# KiCad board pcb.kicad_pcb (continued)
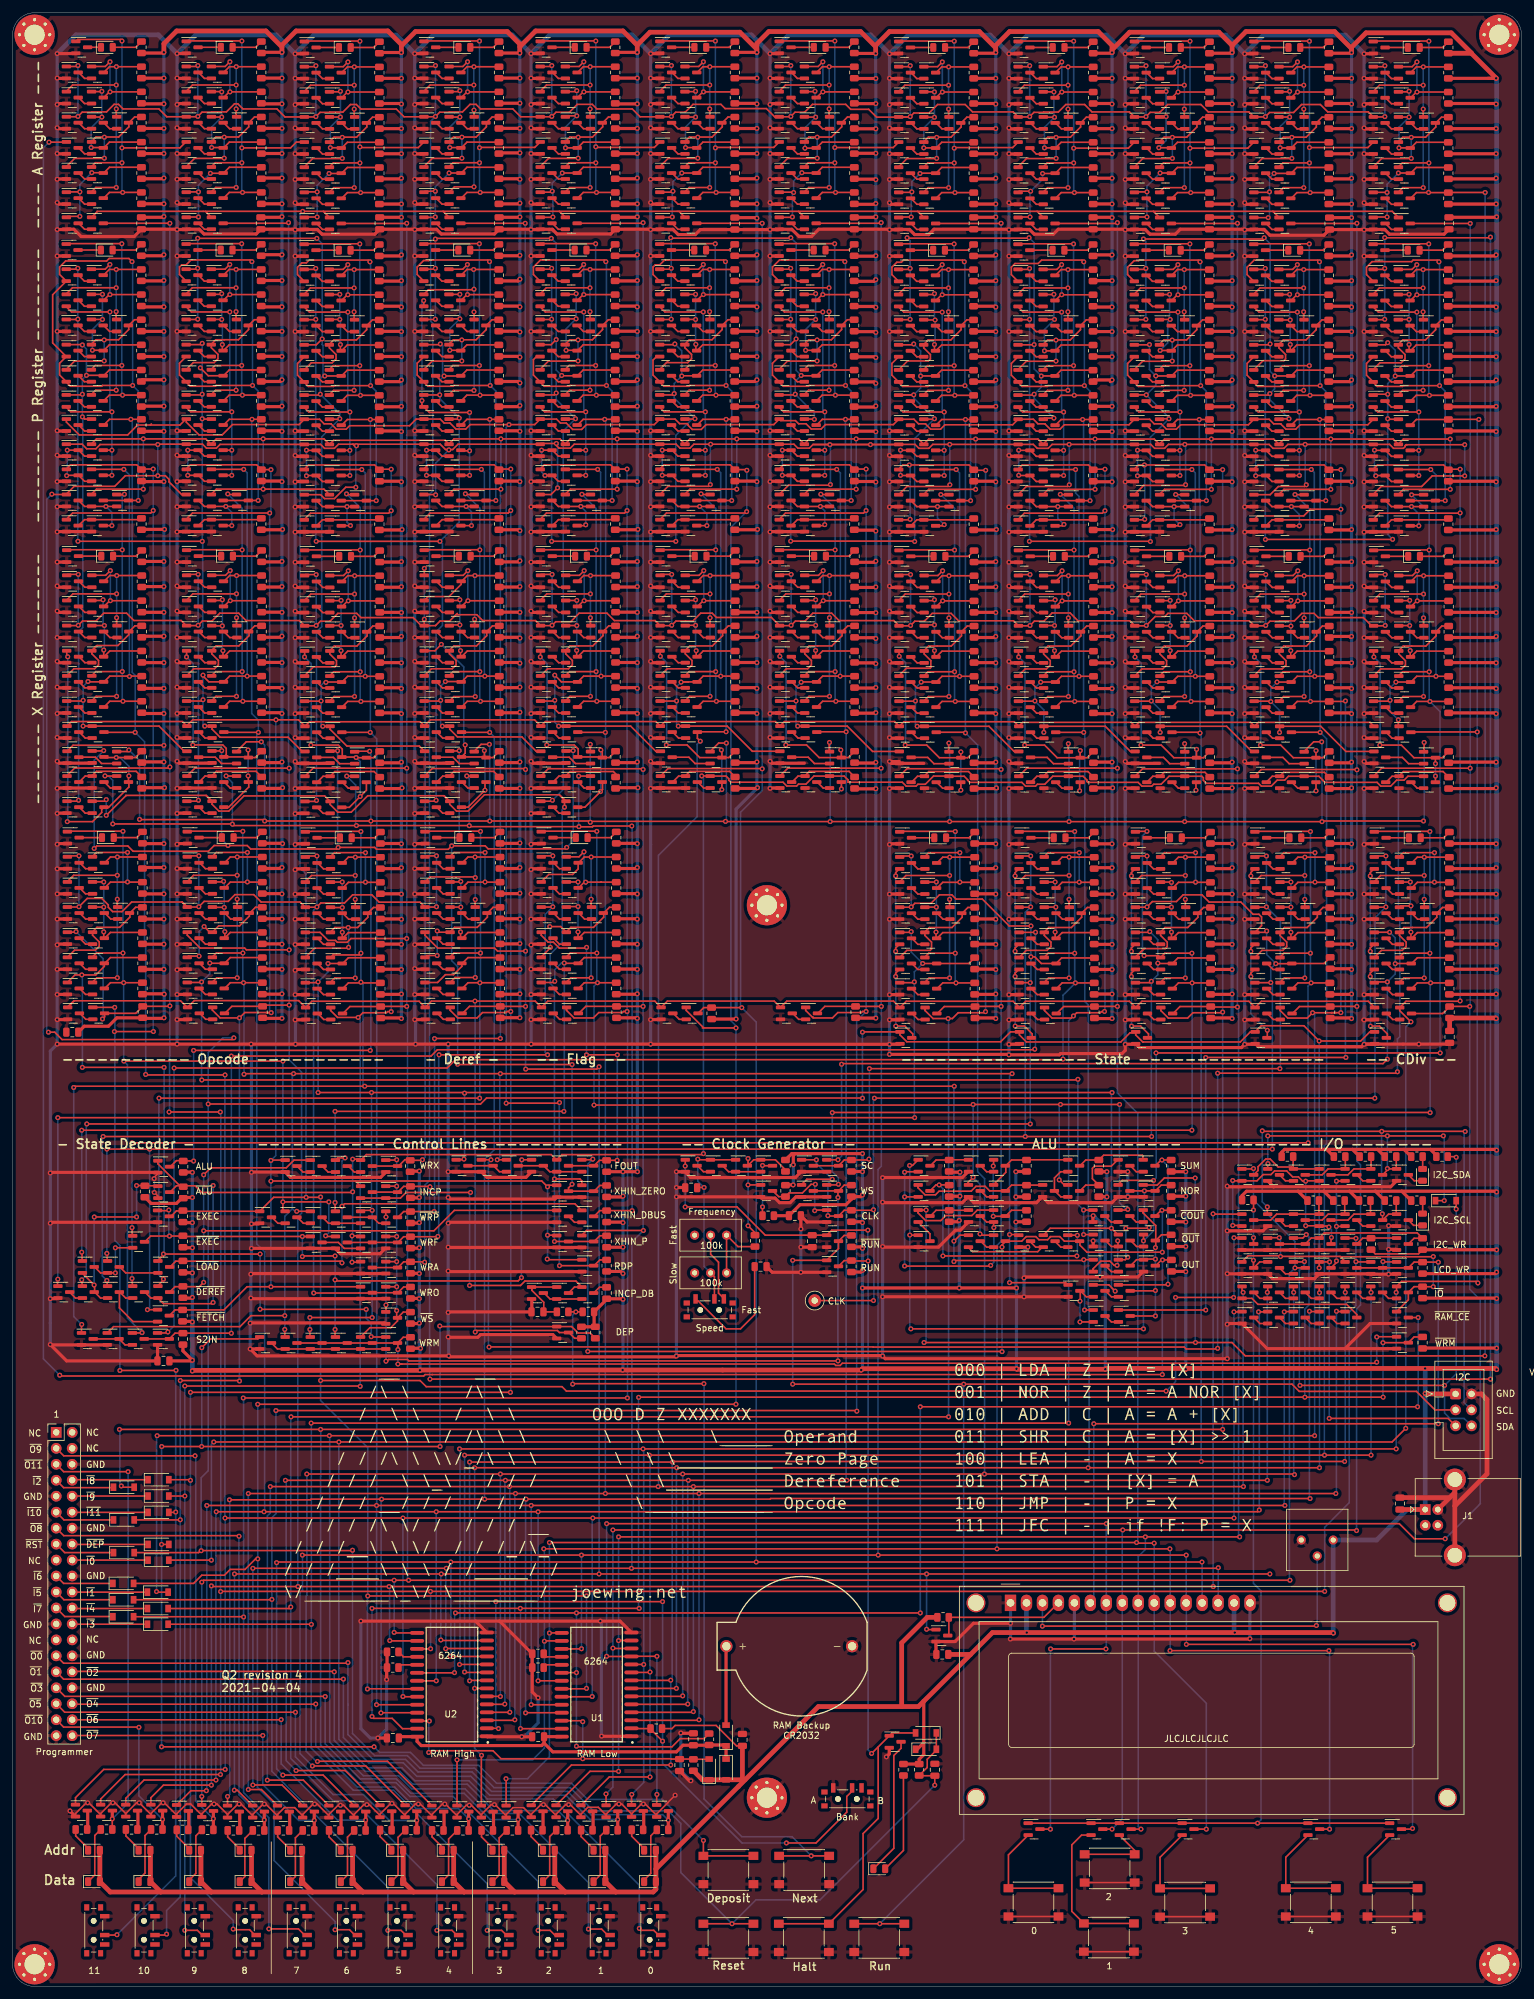
[diagram p0: board, top side]
## Routing (per net, layer and track width the routed paths; a pad name or vN(x,y) marks a point on that pad's centre or on a via; arc(x,y) is an arc through that point) (continued)
/Bit 5/P Register (5)/P DFF/CLR: length 74.6
  Top w0.25: 127.9,236.42 v1(133.4,236.42) ; v1(132.5,254.72) 126.72,254.72 126.59,254.59 122.61,254.59 121.88,255.32 ; Q1030.2 120.88,258.25 120.88,256.38 Q1024.2 ; Q1025.2 120.88,272.38 120.88,273.56 122.01,274.69 122.73,274.69 122.73,274.69 132.13,274.69 v1(132.4,274.42)
  Bottom w0.25: v1(133.4,236.42) 133.4,253.82 v1(132.5,254.72) 132.5,274.32 v1(132.4,274.42)
/Bit 5/P Register (5)/P DFF/Q: length 44.5
  Top w0.25: v1(130.78,257.9) 126.57,257.9 125.88,257.22 ; 121.96,277.29 130.75,277.29 v1(130.78,277.27) ; R452.2 v1(130.89,253.18) 128.79,253.18 127.88,252.27
  Bottom w0.25: v1(130.89,253.18) 130.78,253.29 v1(130.78,257.9) v1(130.78,277.27)
/Bit 5/P Register (5)/P DFF/SET: length 43.7
  Top w0.25: v1(129.2,250.52) 122.68,250.52 121.88,251.32 ; v1(129.2,244.42) 127.9,244.42 ; 127.9,240.42 v1(129.2,240.42) ; v1(128.88,266.41) 122.78,266.41 121.88,267.32
  Bottom w0.25: v1(129.2,240.42) v1(129.2,244.42) v1(129.2,250.52) 128.88,250.84 v1(128.88,266.41)
/Bit 5/X Register (5)/X DFF/D: length 36.1
  Top w0.25: 131.9,195.52 132.94,195.52 R466.2 ; v1(131.75,196.73) 131.84,196.64 Q1049.3 128.31,195.52 126.31,197.52 v1(123,197.52) ; v1(122.05,211.63) 122.01,211.66 Q1067.1 ; v1(131.85,190.53) 131.85,191.61
  Bottom w0.25: v1(123,197.52) 123.05,197.57 123.05,210.63 v1(122.05,211.63) ; v1(131.85,190.53) 131.85,196.63 v1(131.75,196.73)
/Bit 5/XOUT: length 55.7
  Top w0.25: 122.03,228.59 130.82,228.59 v1(130.85,228.56) ; R468.2 v1(130.96,204.47) 128.86,204.47 127.95,203.56 ; 125.95,208.51 126.64,209.2 v1(130.85,209.2) ; v1(128.57,237.42) 128.62,237.37 129.9,237.37
  Bottom w0.25: v1(130.96,204.47) 130.85,204.59 v1(130.85,209.2) v1(130.85,228.56) 130.85,235.14 v1(128.57,237.42)
/Bit 5/~{P}: length 83.3
  Top w0.25: 102.88,265.22 104.73,265.22 v1(104.78,265.27) ; 127.88,256.27 128.79,257.18 R455.2 ; 102.88,273.22 104.63,273.22 v1(104.78,273.37) ; v1(124.65,262.13) 123.74,261.22 Q1030.1 ; v1(124.5,253.33) 124.4,253.22 Q1019.1 ; v1(125.45,256.32) 125.5,256.27 Q1022.3 ; v1(104.7,278.23) 104.78,278.15 123.72,278.15 v1(123.8,278.23) ; v1(127.55,249.33) 127.5,249.37 Q1082.1
  Bottom w0.25: v1(104.78,265.27) v1(104.78,273.37) 104.78,278.15 v1(104.7,278.23) ; v1(127.55,249.33) 127.55,250.28 v1(124.5,253.33) 124.5,255.37 v1(125.45,256.32) 124.65,257.12 v1(124.65,262.13) 124.65,277.38 v1(123.8,278.23)
/Bit 5/~{XIN}: length 76.2
  Top w0.25: v1(105.9,200.52) 107,200.52 ; 108.95,207.56 109.86,208.47 v1(112.65,208.47) R446.2 ; 106.9,241.37 112.1,241.37 ; 107.51,207.56 107.48,207.53 v1(106.35,207.53) ; 107.51,207.56 Q995.3 ; 107.51,207.56 106.5,207.56 ; v1(105.62,204.53) 105.61,204.51 Q992.1 ; 107.06,200.52 113.68,200.52 117.68,196.52 122.06,196.52
  Bottom w0.25: 112.58,208.55 v1(112.65,208.47) 112.65,240.82 v1(112.1,241.37) ; v1(105.9,200.52) 105.62,200.8 v1(105.62,204.53) 105.62,206.8 v1(106.35,207.53)
/Bit 6/A Register (6)/A DFF/~{Q}: length 20.6
  Top w0.25: R437.2 109.81,289.43 108.9,288.52 ; 105,281.47 v1(104.95,281.53) 104.9,281.47 102.96,281.47 ; v1(106.45,288.53) 106.46,288.52 Q974.3 ; 102.96,285.47 104.9,285.47 v1(105.05,285.63)
  Bottom w0.25: v1(104.95,281.53) 104.95,285.53 v1(105.05,285.63) 105.05,287.13 v1(106.45,288.53)
/Bit 6/AIN: length 55.1
  Top w0.25: 89.88,284.52 90.79,285.43 v1(92.89,285.43) R309.2 ; v1(92.78,309.52) 92.75,309.55 83.95,309.55 ; 87.88,289.47 88.56,290.16 v1(92.78,290.16) ; Q982.1 102.09,292.6 92.88,292.6 v1(92.78,292.7)
  Bottom w0.25: v1(92.89,285.43) 92.78,285.55 v1(92.78,290.16) v1(92.78,292.7) v1(92.78,309.52)
/Bit 6/P Register (6)/P DFF/CLR: length 74.3
  Top w0.25: v1(114.4,236.42) 108.9,236.42 ; v1(113.5,254.72) 107.72,254.72 107.59,254.59 103.61,254.59 102.88,255.32 ; v1(113.4,274.42) 113.13,274.69 103.73,274.69 102.96,273.93 102.24,273.93 101.88,273.56 101.88,272.38 Q1076.2 ; Q1075.2 101.88,256.38 101.88,258.76 102.44,259.32
  Bottom w0.25: v1(113.4,274.42) 113.5,274.32 v1(113.5,254.72) 114.4,253.82 v1(114.4,236.42)
/Bit 6/P Register (6)/P DFF/Q: length 44.5
  Top w0.25: 106.88,257.22 107.57,257.9 v1(111.78,257.9) ; R475.2 v1(111.89,253.18) 109.79,253.18 108.88,252.27 ; 102.96,277.29 111.75,277.29 v1(111.78,277.27)
  Bottom w0.25: v1(111.89,253.18) 111.78,253.29 v1(111.78,257.9) v1(111.78,277.27)
/Bit 6/P Register (6)/P DFF/SET: length 43.7
  Top w0.25: v1(110.2,250.52) 103.68,250.52 102.88,251.32 ; v1(109.88,266.41) 103.78,266.41 102.88,267.32 ; v1(110.2,244.42) 108.9,244.42 ; 108.9,240.42 v1(110.2,240.42)
  Bottom w0.25: v1(110.2,240.42) v1(110.2,244.42) v1(110.2,250.52) 109.88,250.84 v1(109.88,266.41)
/Bit 6/X Register (6)/X DFF/D: length 36.4
  Top w0.25: R441.2 113.94,195.52 112.9,195.52 ; v1(103.05,211.63) 103.01,211.66 Q1003.1 ; v1(112.82,190.43) 112.82,191.61 ; v1(112.75,196.73) 112.84,196.64 Q985.3 109.31,195.52 107.31,197.52 v1(104,197.52)
  Bottom w0.25: v1(104,197.52) 104.05,197.57 104.05,210.63 v1(103.05,211.63) ; v1(112.75,196.73) 112.82,196.65 v1(112.82,190.43) 112.75,190.35
/Bit 6/XOUT: length 55.9
  Top w0.25: 106.95,208.51 107.64,209.2 v1(111.85,209.2) ; R443.2 v1(111.96,204.47) 109.86,204.47 108.95,203.56 ; v1(111.85,228.56) 111.82,228.59 103.03,228.59 ; 110.9,237.37 109.62,237.37 v1(109.52,237.48)
  Bottom w0.25: v1(111.96,204.47) 111.85,204.59 v1(111.85,209.2) v1(111.85,228.56) 111.85,235.18 111.82,235.18 v1(109.52,237.48)
/Bit 6/~{P}: length 117.5
  Top w0.25: v1(85.75,265.27) 85.7,265.22 83.85,265.22 ; R478.2 109.79,257.18 108.88,256.27 ; v1(105.35,261.33) 105.24,261.22 Q1081.1 ; v1(85.75,229.93) 105.5,229.93 v1(105.5,229.92) ; v1(85.75,273.37) 85.6,273.22 83.85,273.22 ; v1(105.25,253.43) 105.04,253.22 Q1070.1 ; Q1006.1 108.5,249.37 v1(108.55,249.43) ; v1(106.45,256.23) 106.49,256.27 Q1073.3
  Bottom w0.25: v1(85.75,273.37) v1(85.75,265.27) 85.75,229.93 v1(85.75,229.93) ; v1(105.35,261.33) 106.45,260.23 v1(106.45,256.23) 105.25,255.03 v1(105.25,253.43) 105.25,252.73 v1(108.55,249.43) 108.15,249.43 105.5,246.78 v1(105.5,229.92)
/Bit 6/~{XIN}: length 77.2
  Top w0.25: 89.93,207.56 90.84,208.47 v1(93.62,208.47) R321.2 ; v1(86.88,200.52) 87.97,200.52 ; 87.88,241.37 93.07,241.37 ; Q746.3 87.31,207.56 v1(86.25,208.63) ; v1(86.25,204.63) 86.13,204.51 Q743.1 ; 88.04,200.52 98.33,200.52 102.33,196.52 103.06,196.52
  Bottom w0.25: v1(93.62,208.47) 93.55,208.55 93.55,240.9 v1(93.07,241.37) ; v1(86.88,200.52) 86.25,201.15 v1(86.25,204.63) v1(86.25,208.63)
/Bit 7/A Register/A DFF/~{Q}: length 20.5
  Top w0.25: 89.88,288.52 90.79,289.43 R312.2 ; 86,281.47 v1(85.95,281.53) 85.9,281.47 83.94,281.47 ; v1(87.45,288.53) 89.81,288.53 ; 83.94,285.47 85.69,285.47 v1(85.85,285.63)
  Bottom w0.25: v1(87.45,288.53) 85.85,286.93 v1(85.85,285.63) 85.95,285.53 v1(85.95,281.53)
/Bit 7/AIN: length 54.6
  Top w0.25: 71.38,284.52 72.29,285.43 v1(74.39,285.43) R228.2 ; v1(74.28,309.52) 74.25,309.55 65.45,309.55 ; 69.38,289.47 70.06,290.16 v1(74.28,290.16) ; v1(74.28,292.55) 74.32,292.6 83.06,292.6 Q730.1
  Bottom w0.25: v1(74.39,285.43) 74.28,285.55 v1(74.28,290.16) v1(74.28,292.55) v1(74.28,309.52)
/Bit 7/P Register/P DFF/CLR: length 74.3
  Top w0.25: 89.88,236.42 v1(95.38,236.42) ; 83.85,255.32 84.58,254.59 88.57,254.59 88.7,254.72 v1(94.47,254.72) ; 83.34,259.32 82.85,258.83 82.85,256.38 Q708.2 ; v1(94.38,274.42) 94.1,274.69 86.42,274.69 86.41,274.69 83.98,274.69 82.85,273.56 82.85,272.38 Q709.2
  Bottom w0.25: v1(95.38,236.42) 95.38,253.82 v1(94.47,254.72) 94.47,274.32 v1(94.38,274.42)
/Bit 7/P Register/P DFF/Q: length 44.5
  Top w0.25: 89.85,252.27 90.77,253.18 v1(92.87,253.18) R302.2 ; v1(92.75,277.27) 92.73,277.29 83.93,277.29 ; 87.85,257.22 88.54,257.9 v1(92.75,257.9)
  Bottom w0.25: v1(92.75,277.27) v1(92.75,257.9) 92.75,253.29 v1(92.87,253.18)
/Bit 7/P Register/P DFF/SET: length 43.7
  Top w0.25: 89.88,240.42 v1(91.18,240.42) ; v1(91.18,244.42) 89.88,244.42 ; 83.85,251.32 84.65,250.52 v1(91.18,250.52) ; 83.85,267.32 84.76,266.41 v1(90.86,266.41)
  Bottom w0.25: v1(91.18,240.42) v1(91.18,244.42) v1(91.18,250.52) 90.86,250.84 v1(90.86,266.41)
/Bit 7/X Register/X DFF/D: length 42.5
  Top w0.25: R316.2 94.91,195.52 93.88,195.52 ; v1(84.97,197.52) 89.35,197.52 89.97,196.89 89.97,195.62 93.78,195.62 ; Q733.3 91.04,187.62 v1(93.53,190.1) 93.85,190.43 93.85,191.58 ; v1(93.57,196.73) 93.81,196.49 Q734.3 ; v1(83.95,211.53) 83.99,211.56 Q754.1 ; 93.81,196.59 93.85,196.63
  Bottom w0.25: v1(84.97,197.52) 85.03,197.57 85.03,210.45 v1(83.95,211.53) ; v1(93.53,190.1) 93.57,190.15 v1(93.57,196.73)
/Bit 7/XOUT: length 55.6
  Top w0.25: 89.93,203.56 90.84,204.47 v1(92.94,204.47) R318.2 ; v1(92.82,228.56) 92.8,228.59 84,228.59 ; 87.93,208.51 88.61,209.2 v1(92.82,209.2) ; 91.88,237.37 90.6,237.37 v1(90.57,237.41)
  Bottom w0.25: v1(92.94,204.47) 92.82,204.59 v1(92.82,209.2) v1(92.82,228.56) 92.82,235.15 v1(90.57,237.41)
/Bit 7/~{P}: length 146.5
  Top w0.25: 89.85,256.27 90.77,257.18 R305.2 ; v1(85.88,188.72) 85.72,188.57 83.98,188.57 ; v1(67.25,265.27) 67.2,265.22 65.36,265.22 ; v1(86.48,262.03) 85.67,261.22 Q714.1 ; Q703.1 86.17,253.22 v1(86.48,253.53) ; v1(85.7,278.13) 67.36,278.13 v1(67.25,278.02) ; 65.36,273.22 67.11,273.22 v1(67.25,273.37) ; v1(87.35,256.32) 87.4,256.27 Q706.3 ; v1(89.55,249.43) 89.5,249.37 Q690.1
  Bottom w0.25: v1(67.25,265.27) v1(67.25,273.37) v1(67.25,278.02) ; v1(85.88,188.72) 87.7,190.55 ; v1(85.7,278.13) 86.48,277.35 v1(86.48,262.03) 86.48,257.19 v1(87.35,256.32) 86.48,255.44 v1(86.48,253.53) 86.48,252.5 v1(89.55,249.43) 87.6,247.48 87.6,190.45
/Bit 7/~{XIN}: length 74.9
  Top w0.25: 71.42,207.56 72.34,208.47 v1(75.12,208.47) R240.2 ; v1(68.38,200.52) 69.47,200.52 ; 69.38,241.37 74.58,241.37 ; Q565.1 67.98,204.51 v1(68.1,204.63) ; v1(68.85,207.61) 71.31,207.61 ; 84.04,196.52 83.3,196.52 81.02,198.8 70.77,198.8 69.54,200.04 69.54,200.52
  Bottom w0.25: v1(75.12,208.47) 75.05,208.55 75.05,240.9 v1(74.58,241.37) ; v1(68.38,200.52) 68.1,200.8 v1(68.1,204.63) 68.1,206.86 v1(68.85,207.61)
/Bit 8/A Register/A DFF/~{Q}: length 19.7
  Top w0.25: 71.38,288.52 72.29,289.43 R231.2 ; 67.31,281.47 v1(67.25,281.53) 67.19,281.47 65.44,281.47 ; v1(67.25,285.63) 65.59,285.63 ; v1(69.45,288.53) 71.31,288.53
  Bottom w0.25: v1(69.45,288.53) 67.25,286.33 v1(67.25,285.63) v1(67.25,281.53)
/Bit 8/AIN: length 55.1
  Top w0.25: 52.35,284.5 53.26,285.41 v1(55.36,285.41) R147.2 ; v1(55.25,309.5) 55.22,309.52 46.43,309.52 ; 50.35,289.45 51.04,290.13 v1(55.25,290.13) ; v1(55.25,292.68) 55.36,292.57 64.54,292.57 Q552.1
  Bottom w0.25: v1(55.36,285.41) 55.25,285.52 v1(55.25,290.13) v1(55.25,309.5)
/Bit 8/P Register/P DFF/CLR: length 74.6
  Top w0.25: 71.38,236.42 v1(76.88,236.42) ; 65.36,255.32 66.08,254.59 70.07,254.59 70.2,254.72 v1(75.97,254.72) ; Q531.2 64.35,272.38 64.35,273.56 65.39,274.6 66.22,274.6 66.32,274.69 75.6,274.69 v1(75.88,274.42) ; Q530.2 64.35,256.38 64.35,258.25 Q536.2
  Bottom w0.25: v1(76.88,236.42) 76.88,253.82 v1(75.97,254.72) 75.97,274.32 v1(75.88,274.42)
/Bit 8/P Register/P DFF/Q: length 44.5
  Top w0.25: 71.36,252.27 72.27,253.18 v1(74.37,253.18) R221.2 ; v1(74.25,277.27) 74.23,277.29 65.43,277.29 ; 69.36,257.22 70.04,257.9 v1(74.25,257.9)
  Bottom w0.25: v1(74.25,277.27) v1(74.25,257.9) 74.25,253.29 v1(74.37,253.18)
/Bit 8/P Register/P DFF/SET: length 38.4
  Top w0.25: v1(72.7,240.43) 72.69,240.42 Q515.3 ; v1(72.7,244.33) 71.41,244.33 ; Q526.2 65.42,268.21 v1(65.4,268.23) ; v1(65.12,252.32) 65.12,251.61 Q525.2 66.31,250.43 v1(72.7,250.43)
  Bottom w0.25: v1(65.12,252.32) 65.12,252.32 65.12,267.95 v1(65.4,268.23) ; v1(72.7,240.43) v1(72.7,244.33) v1(72.7,250.43)
/Bit 8/X Register/X DFF/D: length 42.8
  Top w0.25: R235.2 76.41,195.52 75.38,195.52 ; 71.47,195.62 75.28,195.62 ; Q557.3 72,196.21 v1(72,197.53) 71.9,197.63 ; Q556.3 75.05,195.78 v1(75.05,196.63) ; v1(68.2,213.53) 67.19,212.51 Q576.1 ; Q555.3 72.44,187.62 v1(75.15,190.33) 75.15,191.46
  Bottom w0.25: v1(75.15,190.33) 75.15,196.53 v1(75.05,196.63) ; v1(72,197.53) 71.78,197.75 71.78,209.95 v1(68.2,213.53)
/Bit 8/XOUT: length 55.8
  Top w0.25: 71.42,203.56 72.34,204.47 v1(74.44,204.47) R237.2 ; v1(74.33,228.56) 74.3,228.59 65.5,228.59 ; 69.42,208.51 70.11,209.2 v1(74.33,209.2) ; 73.38,237.37 72.14,237.37 v1(72.03,237.49)
  Bottom w0.25: v1(74.44,204.47) 74.33,204.59 v1(74.33,209.2) v1(74.33,228.56) 74.33,235.19 v1(72.03,237.49)
/Bit 8/~{P}: length 162
  Top w0.25: 71.36,256.27 72.27,257.18 R224.2 ; v1(67.38,188.72) 67.22,188.57 65.48,188.57 ; v1(48.23,265.24) 48.18,265.19 46.33,265.19 ; v1(68.05,261.33) 67.94,261.22 Q536.1 ; v1(71.05,249.53) 70.89,249.37 Q512.1 ; Q525.1 67.94,253.22 v1(67.95,253.23) ; 48.3,229.83 48.39,229.92 v1(67.98,229.92) 67.88,230.03 ; v1(68.65,256.23) 71.25,256.23 ; v1(48.23,273.34) 48.08,273.19 46.33,273.19
  Bottom w0.25: 68.3,261.22 68.41,261.12 68.41,256.27 ; v1(48.23,273.34) v1(48.23,265.24) 48.23,230.05 48.25,230.03 ; v1(67.38,188.72) 67.38,215.54 68.38,216.54 68.38,229.52 v1(67.98,229.92) 71.05,232.99 v1(71.05,249.53) 67.95,252.63 v1(67.95,253.23) 67.95,255.53 v1(68.65,256.23) 68.41,256.47 ; v1(68.05,261.33) 68.41,260.97 ; 67.98,252.99 67.98,252.7 67.95,252.73
  vias: v1(48.3,229.93)
/Bit 8/~{SOUT}: length 13.8
  Top w0.25: 71.54,162.78 72.45,163.69 R247.2 ; Q579.1 67.61,159.73 68.85,160.98 70.15,160.98 71.47,162.3 Q582.3
/Bit 8/~{XIN}: length 75.6
  Top w0.25: 52.4,207.54 53.31,208.45 v1(56.1,208.45) R159.2 ; v1(49.35,200.5) 50.45,200.5 ; 50.35,241.35 v1(55.55,241.35) ; 65.54,196.52 64.71,197.35 53.18,197.35 50.51,200.01 Q358.1 ; v1(49.85,207.48) 49.9,207.54 Q372.3 ; v1(49.08,204.53) 49.03,204.49 Q369.1
  Bottom w0.25: 56.03,208.52 v1(56.1,208.45) 56.1,240.8 v1(55.55,241.35) ; v1(49.85,207.48) 49.55,207.48 49.08,207.01 v1(49.08,204.53) 49.08,200.77 v1(49.35,200.5)
/Bit 9/A Register/A DFF/~{Q}: length 19.6
  Top w0.25: 52.35,288.5 53.26,289.41 R150.2 ; 46.86,281.53 v1(48.45,281.53) 48.53,281.45 ; v1(48.45,285.53) 46.49,285.53 ; v1(50.35,288.45) 52.24,288.45
  Bottom w0.25: v1(50.35,288.45) 48.45,286.55 v1(48.45,285.53) v1(48.45,281.53)
/Bit 9/P Register/P DFF/CLR: length 74.6
  Top w0.25: 52.35,236.4 v1(57.85,236.4) ; 46.33,255.29 47.06,254.57 51.04,254.57 51.17,254.7 v1(56.95,254.7) ; Q340.2 45.33,258.23 45.33,256.35 Q334.2 ; Q335.2 45.33,272.35 45.33,273.54 46.02,274.23 46.74,274.23 47.18,274.67 56.58,274.67 v1(56.85,274.4)
  Bottom w0.25: v1(57.85,236.4) 57.85,253.8 v1(56.95,254.7) 56.95,274.3 v1(56.85,274.4)
/Bit 9/P Register/P DFF/Q: length 44.5
  Top w0.25: 52.33,252.24 53.24,253.15 v1(55.34,253.15) R140.2 ; v1(55.23,277.24) 55.2,277.27 46.41,277.27 ; 50.33,257.19 51.02,257.88 v1(55.23,257.88)
  Bottom w0.25: v1(55.23,277.24) v1(55.23,257.88) 55.23,253.27 v1(55.34,253.15)
/Bit 9/P Register/P DFF/SET: length 43.7
  Top w0.25: 52.35,240.4 v1(53.65,240.4) ; v1(53.65,244.4) 52.35,244.4 ; 46.33,251.29 47.12,250.5 v1(53.65,250.5) ; 46.33,267.29 47.23,266.39 v1(53.33,266.39)
  Bottom w0.25: v1(53.65,240.4) v1(53.65,244.4) v1(53.65,250.5) 53.33,250.81 v1(53.33,266.39)
/Bit 9/X Register/X DFF/D: length 41.3
  Top w0.25: R154.2 57.39,195.5 56.35,195.5 ; 52.45,195.6 52.45,196.87 51.82,197.5 v1(47.45,197.5) ; Q380.1 46.46,211.54 v1(46.45,211.53) ; Q357.3 56.29,190.31 v1(55.3,189.33) 53.57,187.6 Q359.3 ; Q360.3 54.68,195.5 v1(54.65,195.53) 54.58,195.6 Q361.3
  Bottom w0.25: v1(47.45,197.5) 47.5,197.55 47.5,210.48 v1(46.45,211.53) ; 55.25,194.93 55.25,194.83 ; v1(55.3,189.33) 55.3,194.88 v1(54.65,195.53)
/Bit 9/XOUT: length 55.7
  Top w0.25: 52.4,203.54 53.31,204.45 v1(55.41,204.45) R156.2 ; v1(55.3,228.54) 55.27,228.56 46.48,228.56 ; 50.4,208.49 51.09,209.17 v1(55.3,209.17) ; 54.35,237.35 53.25,237.35 v1(53.12,237.47)
  Bottom w0.25: v1(55.41,204.45) 55.3,204.56 v1(55.3,209.17) v1(55.3,228.54) 55.3,235.29 v1(53.12,237.47)
/Bit 10/A Register/A DFF/~{Q}: length 19.9
  Top w0.25: 33.57,288.53 34.48,289.44 R72.2 ; v1(31.47,288.48) 33.46,288.48 ; v1(29.57,285.53) 27.68,285.53 ; 29.62,281.48 v1(29.57,281.53) 27.68,281.53
  Bottom w0.25: v1(29.57,281.53) v1(29.57,285.53) 29.57,286.58 v1(31.47,288.48)
/Bit 10/AIN: length 53.9
  Top w0.25: 14.5,284.53 15.41,285.44 v1(17.51,285.44) R12.2 ; 27.57,293.48 26.62,292.53 v1(17.4,292.53) 17.47,292.6 ; Q34.1 10.36,309.78 17.15,309.78 v1(17.4,309.53) ; 12.5,289.48 13.19,290.16 v1(17.4,290.16)
  Bottom w0.25: v1(17.51,285.44) 17.4,285.55 v1(17.4,290.16) v1(17.4,292.53) v1(17.4,309.53)
/Bit 10/AOUT: length 55
  Top w0.25: 33.57,284.53 34.48,285.44 v1(36.58,285.44) R69.2 ; v1(36.47,309.53) 36.44,309.55 27.64,309.55 ; 31.57,289.48 32.26,290.16 v1(36.47,290.16) ; 36.54,292.6 v1(36.47,292.53) 44.23,292.53 45.15,293.45 Q356.1
  Bottom w0.25: v1(36.58,285.44) 36.47,285.55 v1(36.47,290.16) v1(36.47,292.53) v1(36.47,309.53)
/Bit 10/INCP_CLK: length 147.4
  Top w0.25: v1(29.45,265.27) 29.4,265.22 27.55,265.22 ; 52.33,256.24 53.24,257.15 R143.2 ; v1(48.35,188.7) 48.2,188.55 46.45,188.55 ; v1(48.95,253.33) 48.82,253.19 Q329.1 ; v1(48.4,278.13) 29.47,278.13 v1(29.45,278.15) ; v1(49.65,256.23) 49.67,256.24 Q332.3 ; v1(52.05,249.43) 51.97,249.35 Q316.1 ; Q340.1 48.31,261.19 v1(49.25,262.13) ; v1(29.45,273.37) 29.3,273.22 27.55,273.22
  Bottom w0.25: v1(29.45,265.27) v1(29.45,273.37) v1(29.45,278.15) 29.37,278.23 ; v1(48.35,188.7) 48.35,215.51 49.18,216.34 49.18,246.55 v1(52.05,249.43) 52.05,250.23 v1(48.95,253.33) 48.95,255.82 49.38,256.24 49.38,261.1 49.25,261.23 v1(49.25,262.13) 49.25,277.28 v1(48.4,278.13) ; v1(49.65,256.23) 49.37,256.23
/Bit 10/P Register/P DFF/CLR: length 74.6
  Top w0.25: 33.57,236.43 v1(39.07,236.43) ; 27.55,255.32 28.27,254.6 32.26,254.6 32.39,254.73 v1(38.17,254.73) ; Q162.2 26.55,272.38 26.55,273.57 26.91,273.93 27.63,273.93 28.4,274.7 37.8,274.7 v1(38.07,274.43) ; Q167.2 26.55,258.26 26.55,256.38 Q161.2
  Bottom w0.25: v1(39.07,236.43) 39.07,253.83 v1(38.17,254.73) 38.17,274.33 v1(38.07,274.43)
/Bit 10/P Register/P DFF/Q: length 44.5
  Top w0.25: 33.55,252.27 34.46,253.18 v1(36.56,253.18) R62.2 ; v1(36.45,277.27) 36.42,277.3 27.62,277.3 ; 31.55,257.22 32.24,257.91 v1(36.45,257.91)
  Bottom w0.25: v1(36.45,277.27) v1(36.45,257.91) 36.45,253.3 v1(36.56,253.18)
/Bit 10/P Register/P DFF/SET: length 43.7
  Top w0.25: 33.57,240.43 v1(34.87,240.43) ; v1(34.87,244.43) 33.57,244.43 ; 27.55,251.32 28.34,250.53 v1(34.87,250.53) ; 27.55,267.32 28.45,266.42 v1(34.55,266.42)
  Bottom w0.25: v1(34.87,240.43) v1(34.87,244.43) v1(34.87,250.53) 34.55,250.84 v1(34.55,266.42)
/Bit 10/X Register/X DFF/D: length 41.1
  Top w0.25: R76.2 38.61,195.53 37.57,195.53 ; 37.57,191.63 37.57,190.83 34.37,187.63 33.67,187.63 ; 33.67,195.63 37.47,195.63 ; v1(37.47,196.73) 37.51,196.69 Q187.3 ; Q188.3 33.99,196.01 33.99,196.97 33.44,197.53 v1(28.67,197.53) ; Q207.1 27.68,211.54 v1(27.67,211.53) ; v1(37.47,192.6) 37.51,192.56 Q184.3
  Bottom w0.25: v1(28.67,197.53) 28.72,197.58 28.72,210.48 v1(27.67,211.53) ; v1(37.47,196.73) 37.47,192.63
/Bit 10/XOUT: length 55.8
  Top w0.25: 33.62,203.57 34.53,204.48 v1(36.63,204.48) R78.2 ; v1(36.52,228.57) 36.49,228.59 27.69,228.59 ; 31.62,208.52 32.31,209.2 v1(36.52,209.2) ; v1(34.23,237.47) 34.32,237.38 35.57,237.38
  Bottom w0.25: v1(36.63,204.48) 36.52,204.59 v1(36.52,209.2) v1(36.52,228.57) 36.52,235.18 v1(34.23,237.47)
/Bit 10/~{P}: length 160.2
  Top w0.25: v1(10.38,265.27) 10.33,265.22 8.48,265.22 ; 33.55,256.27 34.46,257.18 R65.2 ; v1(29.57,188.73) 29.42,188.58 27.67,188.58 ; v1(30.17,249.43) 30.22,249.38 Q143.1 ; v1(29.87,257.53) 31.12,256.27 Q159.3 ; Q156.1 30.06,253.22 v1(30.17,253.33) ; v1(10.38,273.37) 10.23,273.22 8.48,273.22 ; v1(30.17,261.43) 29.96,261.22 Q167.1 ; v1(30.17,229.93) v1(10.4,229.93)
  Bottom w0.25: v1(10.38,273.37) v1(10.38,265.27) 10.38,229.95 v1(10.4,229.93) ; v1(29.57,188.73) 29.57,215.54 30.24,216.22 30.24,229.86 v1(30.17,229.93) 30.17,249.02 ; v1(30.17,261.43) 30.17,257.83 v1(29.87,257.53) 30.17,257.23 v1(30.17,253.33) 30.17,252.83 30.17,252.82 ; 30.17,249.02 30.17,249.22 ; 30.17,249.02 30.17,249.03 v1(30.17,249.43) 30.17,250.53 30.17,250.53 ; 30.17,250.28 30.17,250.53 ; 30.17,250.53 30.17,252.82 ; 30.17,252.82 30.17,253
/Bit 10/~{XIN}: length 75.2
  Top w0.25: 14.55,207.57 15.46,208.48 R24.2 ; 27.3,196.53 23.3,200.53 Q45.1 v1(11.23,200.53) ; v1(11.23,204.63) 11.12,204.52 Q56.1 ; 12.5,241.38 v1(17.7,241.38) ; v1(12,207.62) 12.05,207.57 Q59.3
  Bottom w0.25: v1(12,207.62) 11.23,206.84 v1(11.23,204.63) v1(11.23,200.53) ; v1(18.6,208.43) 18.57,208.45 18.57,240.5 v1(17.7,241.38)
/Bit 10/~{XOUT}: length 76.9
  Top w0.25: 33.62,207.57 34.53,208.48 v1(37.32,208.48) R81.2 ; v1(30.57,200.53) 31.67,200.53 ; 31.57,241.38 v1(36.77,241.38) ; v1(30.29,208.63) 30.29,208.49 31.22,207.57 Q199.3 ; Q185.1 31.73,200.03 33.02,198.75 43.82,198.75 46.08,196.5 ; Q196.1 30.08,204.52 v1(30.29,204.73)
  Bottom w0.25: 37.24,208.55 v1(37.32,208.48) 37.32,240.83 v1(36.77,241.38) ; v1(30.57,200.53) 30.29,200.8 v1(30.29,204.73) v1(30.29,208.63)
/Bit 11/A Register/A DFF/~{Q}: length 20.2
  Top w0.25: v1(10.7,285.53) 8.61,285.53 ; R15.2 15.41,289.44 14.5,288.53 ; v1(12.6,288.58) 14.39,288.58 ; 10.85,281.48 v1(10.7,281.63) 8.71,281.63
  Bottom w0.25: v1(12.6,288.58) 10.7,286.68 v1(10.7,285.53) v1(10.7,281.63)
/Bit 11/P Register/P DFF/CLR: length 88.5
  Top w0.25: 8.48,255.32 9.21,254.6 14.17,254.6 14.3,254.73 v1(19.1,254.73) ; v1(20,236.43) 14.5,236.43 ; Q21.2 7.48,256.38 7.48,258.26 Q27.2 6.37,261.49 6.37,269.15 Q22.2 7.48,272.38 7.48,273.57 8.44,274.53 14.96,274.53 15.36,274.93 18.5,274.93 v1(19,274.43)
  Bottom w0.25: v1(19,274.43) 19.1,274.33 v1(19.1,254.73) 20,253.83 v1(20,236.43)
/Bit 11/P Register/P DFF/Q: length 44.5
  Top w0.25: 14.48,252.27 15.39,253.18 v1(17.49,253.18) R5.2 ; v1(17.38,277.27) 17.35,277.3 8.56,277.3 ; 12.48,257.22 13.17,257.91 v1(17.38,257.91)
  Bottom w0.25: v1(17.38,277.27) v1(17.38,257.91) 17.38,253.3 v1(17.49,253.18)
/Bit 11/P Register/P DFF/SET: length 43.7
  Top w0.25: v1(15.48,266.42) 9.38,266.42 8.48,267.32 ; v1(15.8,244.43) 14.5,244.43 ; 14.5,240.43 v1(15.8,240.43) ; v1(15.8,250.53) 9.27,250.53 8.48,251.32
  Bottom w0.25: v1(15.48,266.42) 15.48,250.84 v1(15.8,250.53) v1(15.8,244.43) v1(15.8,240.43)
/Bit 11/X Register/X DFF/D: length 51.9
  Top w0.25: Q44.3 18.44,192.54 v1(18.5,192.6) ; v1(8.7,185.33) 12.72,185.33 14.17,186.78 14.17,187.26 Q46.3 ; 14.64,195.53 v1(16.5,195.53) Q47.3 ; R19.2 19.54,195.53 18.5,195.53 ; Q67.1 8.61,211.71 v1(8.77,211.55) ; 14.6,187.63 15.3,187.63 18.5,190.83 18.5,191.63
  Bottom w0.25: 8.77,211.69 v1(8.77,211.55) 8.77,185.4 v1(8.7,185.33) ; v1(18.5,192.6) 18.5,194.13 17.1,195.53 v1(16.5,195.53)
/Bit 11/XOUT: length 55.7
  Top w0.25: 14.55,203.57 15.46,204.48 v1(17.56,204.48) R21.2 ; v1(17.45,228.57) 17.42,228.59 8.63,228.59 ; 12.55,208.52 13.24,209.2 v1(17.45,209.2) ; 17.45,237.33 16.55,237.33 ; v1(17.79,237.42) 17.75,237.38 16.5,237.38
  Bottom w0.25: v1(17.56,204.48) 17.45,204.59 v1(17.45,209.2) v1(17.45,228.57) 17.45,237.08 v1(17.79,237.42)
/Bit 11/~{P}: length 91.3
  Top w0.25: 14.48,256.27 15.39,257.18 R8.2 ; v1(11.1,253.33) 11,253.22 Q16.1 ; Q3.1 11.45,249.38 v1(11.1,249.73) ; 8.6,188.58 10.35,188.58 v1(10.5,188.73) ; v1(11.76,256.33) 14.36,256.33 ; Q27.1 11.05,261.22 v1(11.1,261.17)
  Bottom w0.25: 11.35,261.17 v1(11.1,261.17) 11.76,260.52 v1(11.76,256.33) 11.1,255.68 v1(11.1,249.73) 11.18,249.66 11.18,216.22 10.5,215.54 v1(10.5,188.73)
/Decoder/~{STATE_DEREF}: length 98.6
  Top w0.25: v1(30.4,129.13) 31.53,130.25 43.55,130.25 44.77,131.48 Q1094.1 ; v1(30.4,120.23) 67.03,120.23 70.28,123.48 Q1093.1 ; Q82.3 25.85,111.34 29.71,111.34 v1(30.4,112.03)
  Bottom w0.25: v1(30.4,129.13) v1(30.4,112.03)
/Decoder/~{STATE_EXEC}: length 104.5
  Top w0.25: Q129.1 v1(81,131.53) ; 27.05,119.39 21.96,119.39 21.05,118.48 ; 27.11,119.33 v1(46.1,119.33) 47.3,119.33 ; v1(80.95,112.78) 80.43,112.25 51.47,112.25 v1(51.3,112.43) ; v1(46.1,116.13) 46.2,116.22 v1(51.3,116.22) ; v1(24.85,123.53) 24.75,123.43 23.05,123.43 ; 51.3,103.33 v1(51.3,104.53)
  Bottom w0.25: v1(24.85,123.53) 24.85,119.5 v1(24.96,119.39) ; v1(46.1,116.13) v1(46.1,119.33) ; 80.95,112.48 80.95,131.48 v1(81,131.53) ; v1(51.3,116.22) 51.3,116.22 v1(51.3,112.43) v1(51.3,104.53)
/Decoder/~{STATE_LOAD}: length 85.1
  Top w0.25: Q121.1 51.71,131.83 v1(52.9,131.83) ; 90.5,123.48 89.45,124.53 52.8,124.53 v1(52.4,124.13) ; 25.05,114.48 25.96,115.39 52.14,115.39 v1(52.4,115.13)
  Bottom w0.25: v1(52.4,115.13) v1(52.4,124.13) 52.4,131.33 v1(52.9,131.83)
/I2C/I2C_RST: length 16.8
  Top w0.25: Q1097.3 210.6,115.19 v1(210.6,115.43) ; v1(210.6,128.13) 211.91,128.13 ; v1(210.6,120.93) 211.91,120.93
  Bottom w0.25: v1(210.6,128.13) v1(210.6,120.93) v1(210.6,115.43)
/Logic/~{WS}: length 43.6
  Top w0.25: R50.2 62.15,107.29 Q110.3 61.24,105.89 60.15,104.8 56.84,104.8 Q140.1 ; v1(61.1,131.53) 61.05,131.48 Q119.1 ; v1(61.1,111.33) Q105.1 ; v1(61.1,107.53) 61.1,106.51 ; v1(61.1,115.33) Q112.1 ; v1(61.1,119.33) Q107.1 ; v1(61.1,127.33) Q109.1
  Bottom w0.25: v1(61.1,107.53) v1(61.1,111.33) v1(61.1,115.33) v1(61.1,119.33) v1(61.1,127.33) v1(61.1,131.53)
/Memory/BANK: length 120.5
  Top w0.25: 101.49,40.94 v1(103.4,39.03) ; v1(123.1,22.83) 127.8,22.83 132.7,27.73 132.7,30.23 133.55,31.08 ; U2.2 77.25,41.07 v1(77.3,41.03) ; v1(103.4,61.23) v1(76.88,61.23) ; R297.2 98.5,41.03